# Altium PCB master.PcbDoc (part 5 of 5)
Units mm, origin at the board's own origin, x right, y up, seen from the top; angles counter-clockwise.
Board outline 160 x 120 mm, 4 copper layers (Top Copper, Signal Layer 1, Signal Layer 2, Bot Copper), stack 1.56 mm thick; 330 components, 331 nets, 1402 pads, 711 vias.
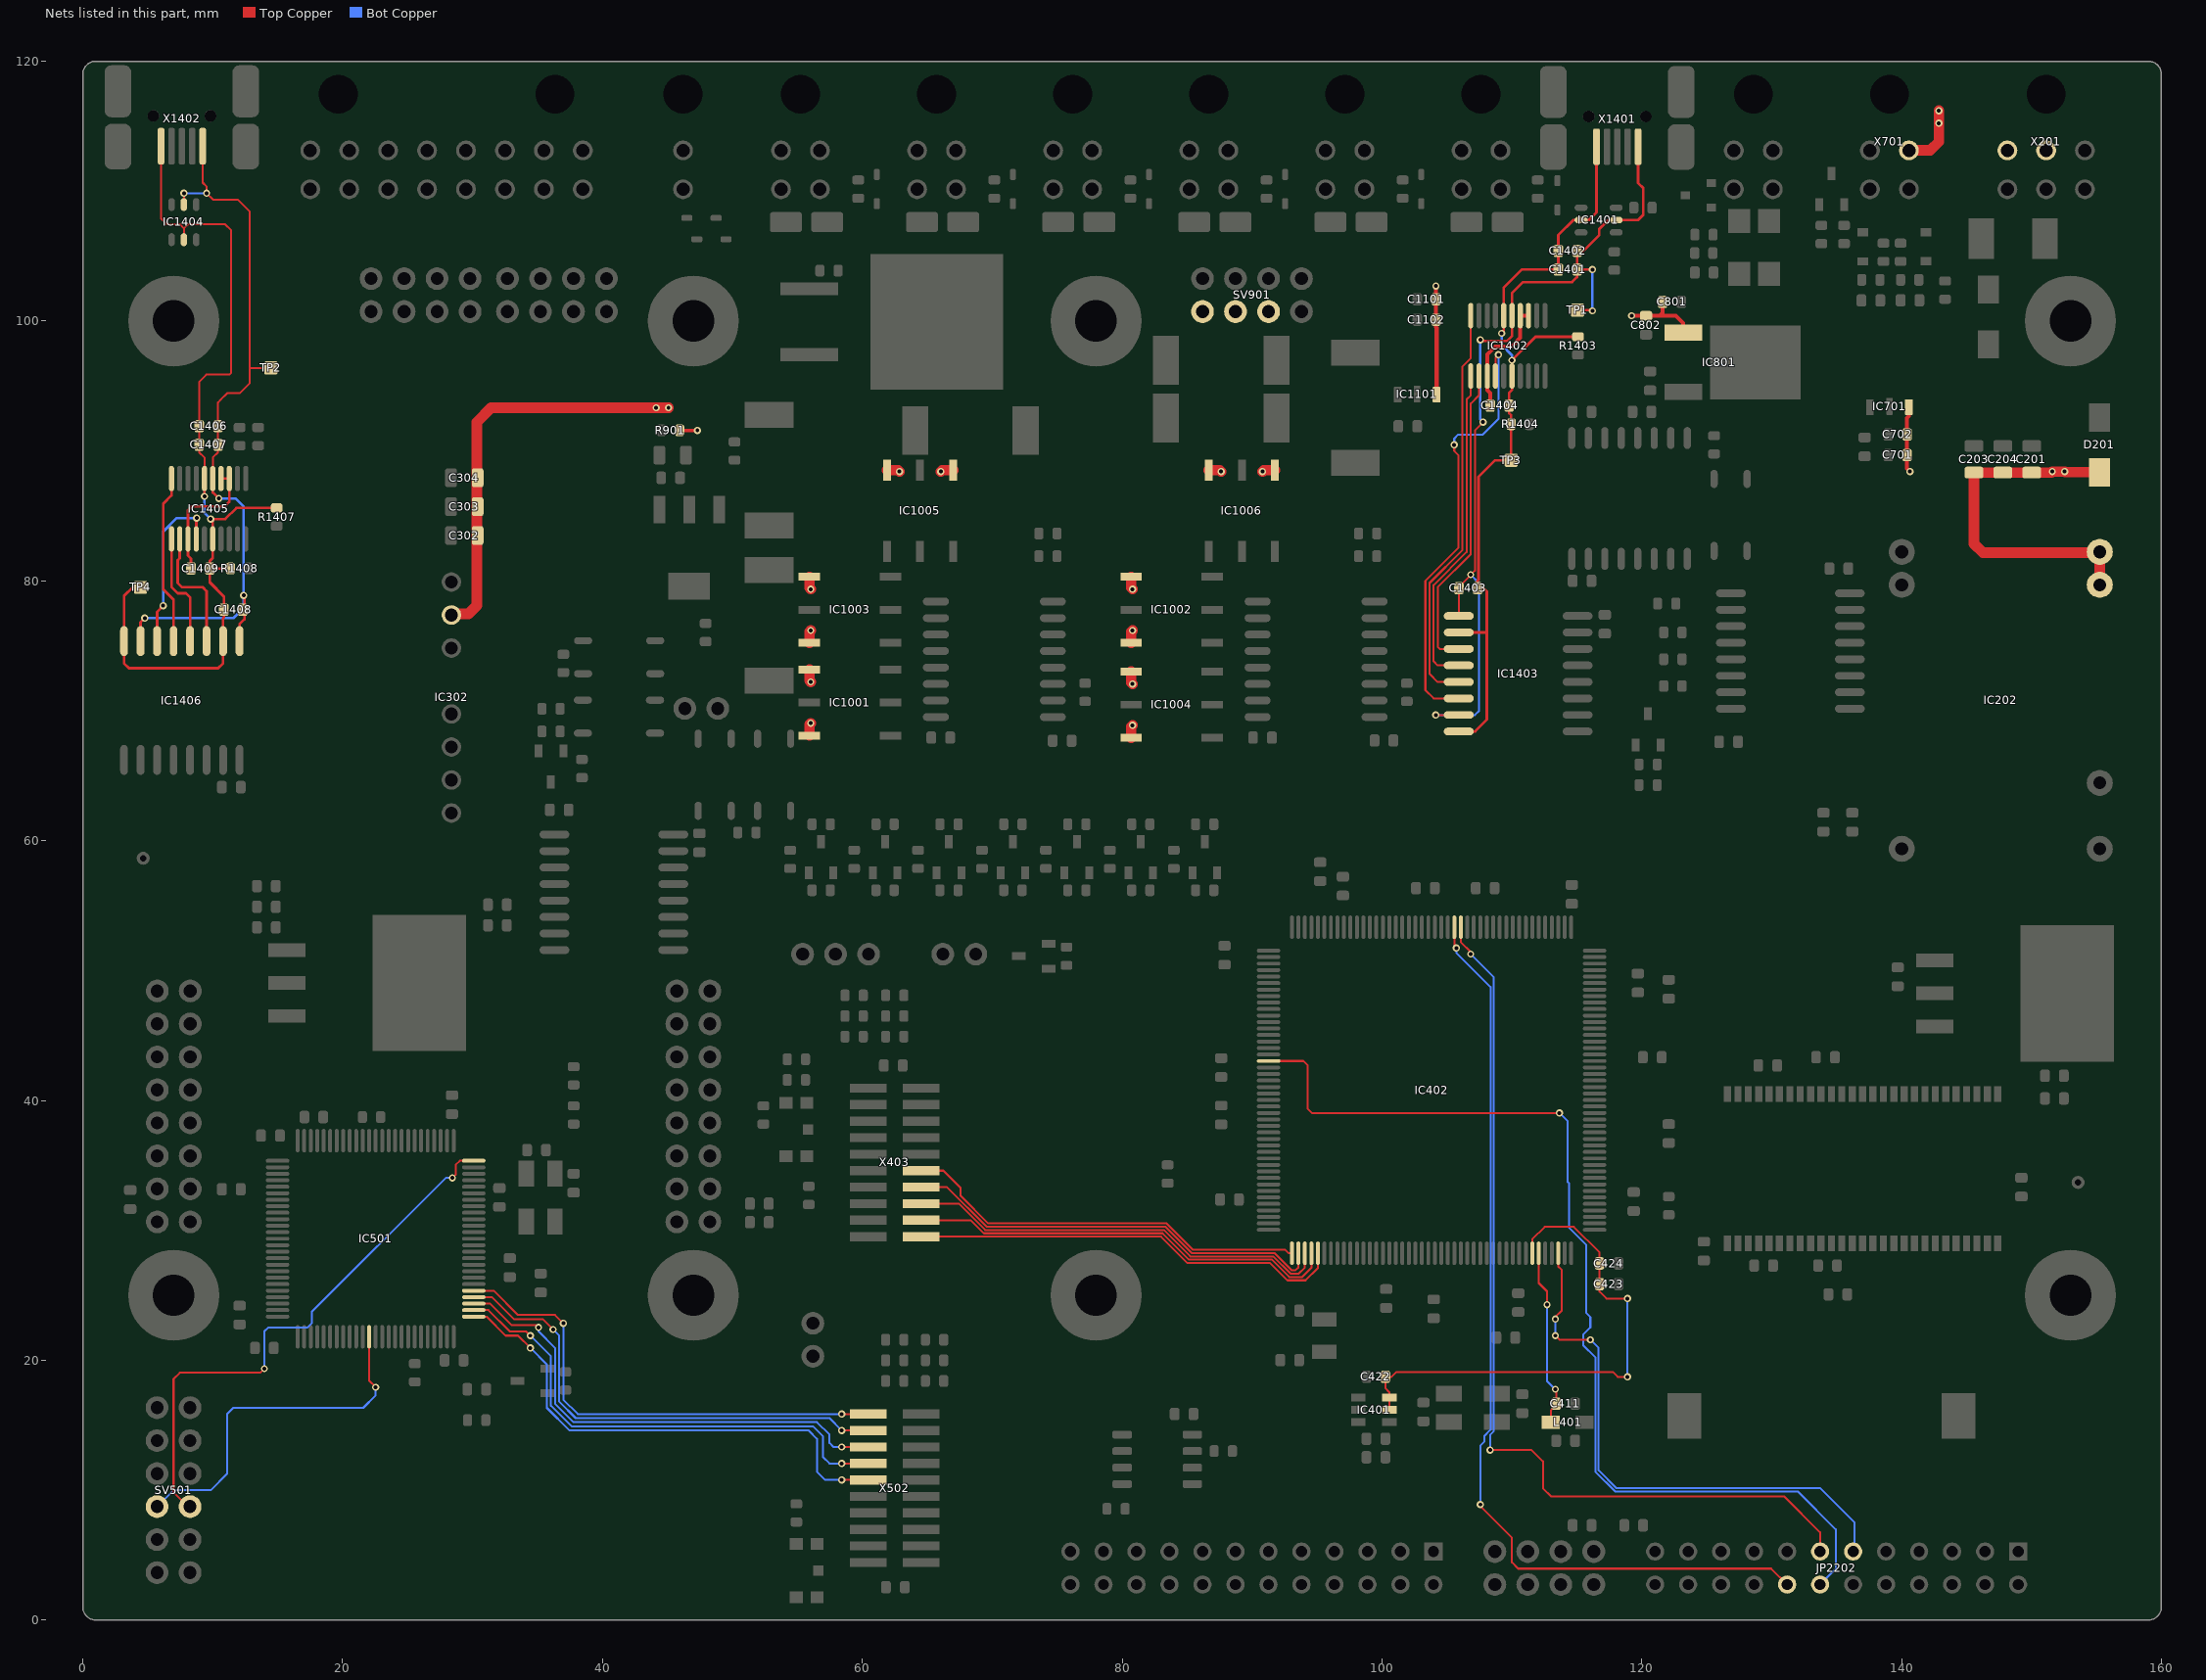
[diagram p7: the nets of this part, all layers, seen from the top]

## Via types
v1: diameter 0.55, hole 0.3, Top Copper to Bot Copper, tented both sides, 708 vias
v2: diameter 0.65, hole 0.4, Top Copper to Bot Copper, tented both sides, 3 vias

## Nets (pads, with @x,y where several pads share a name; then routed paths per layer and width w, separated by ;. In a path a pad name is that pad's centre, name@x,y a point inside that pad or via, vN(x,y) a via of type N, cw(c..) or ccw(c..) an arc to the next point about the centre after c; other vN are vias at no path point) (continued)
RS485_MCU_0_DE: IC402.107 JP2202.16 | length 73.5
  Top Copper w0.152: IC402.107@105.573,53.534 105.573,51.892 v1(105.727,51.738) ; v1(107.569,8.89) 107.569,8.78 110.014,6.335 110.014,4.43 110.49,3.954 129.966,3.954 JP2202.16@131.19,2.73
  Bot Copper w0.152: v1(105.727,51.738) 105.727,51.371 108.362,48.737 108.362,14.642 107.869,14.15 107.869,13.725 107.569,13.425 v1(107.569,8.89)
RS485_MCU_0_NRE: IC402.106 JP2202.13 | length 72.3
  Top Copper w0.152: IC402.106@106.072,53.534 106.072,52.186 106.839,51.42 v1(106.839,51.261) ; v1(108.331,13.081) 111.521,13.081 112.395,12.207 112.395,10.145 113.03,9.51 130.969,9.51 133.73,6.749 JP2202.13@133.73,5.27
  Bot Copper w0.152: v1(106.839,51.261) 108.616,49.484 108.616,14.537 108.331,14.253 v1(108.331,13.081)
RS485_MCU_0_RX: IC402.150 JP2202.14 | length 80.5
  Top Copper w0.152: IC402.150@91.072,43.034 93.953,43.034 94.297,42.689 94.297,39.355 94.615,39.038 v1(113.665,39.038)
  Bot Copper w0.152: v1(113.665,39.038) 114.3,38.403 114.3,33.723 114.41,33.614 114.41,30.196 115.729,28.878 115.729,23.639 116.046,23.321 116.046,22.528 115.492,21.973 115.492,21.16 116.427,20.225 116.427,11.419 117.955,9.891 132.017,9.891 134.938,6.97 134.938,3.938 JP2202.14@133.732,2.732 JP2202.14@133.73,2.73
RS485_MCU_0_TX: IC402.42 JP2202.11 | length 43.2
  Top Copper w0.152: v1(113.347,21.893) 113.665,21.575 v1(116.046,21.575) ; v1(113.347,23.163) 113.347,23.321 113.824,23.798 113.824,26.973 113.573,27.224 IC402.42@113.573,28.034
  Bot Copper w0.152: v1(113.347,21.893) v1(113.347,23.163) ; v1(116.046,21.575) 116.681,20.94 116.681,11.524 118.06,10.145 133.746,10.145 136.366,7.525 136.366,5.366 JP2202.11@136.272,5.272 JP2202.11@136.27,5.27
SUPPLY_EXT_0: C201.1 C203.1 C204.1 C302.1 C303.1 C304.1 C701.1 C702.1 C801.2 C802.2 C1101.1 C1102.1 D201.1 IC202.22 IC202.23 IC302.2 IC701.3 IC801.1 IC1101.3 SV901.3 X701.2 | length 83.9
  Top Copper w0.152: X701.2@140.565,113.06 X701.2@140.565,113.14
  Top Copper w0.305: v1(104.161,102.696) C1101.1@104.161,101.676 C1102.1@104.161,100.101 104.161,99.525 104.211,99.475 IC1101.3@104.211,94.329 ; v1(119.221,100.405) C802.2@120.332,100.405 121.36,100.405 ; C801.2@121.601,101.473 121.601,100.646 121.36,100.405 ; IC801.1@123.2,99.103 123.2,99.829 122.624,100.405 121.36,100.405 ; IC701.3@140.565,93.376 140.565,92.675 140.425,92.535 C702.1@140.425,91.266 C701.1@140.425,89.679 140.425,88.636 v1(140.653,88.409)
  Top Copper w0.813: IC302.2@28.4,77.46 28.405,77.455 29.686,77.455 30.321,78.09 30.321,92.219 31.432,93.33 v1(44.133,93.33) v1(45.085,93.33) ; X701.2@140.565,113.14 142.206,113.14 142.875,113.809 v1(142.875,115.238) v1(142.875,116.19) ; IC202.22@155.257,79.62 IC202.22@155.257,79.69 155.257,82.16 146.266,82.16 145.574,82.853 C203.1@145.574,88.336 C204.1@147.796,88.336 C201.1@150.019,88.336 151.534,88.336 v1(151.606,88.409) v1(152.559,88.409) 152.605,88.363 D201.1@155.257,88.363
SUPPLY_EXT_2: IC1001.4 IC1001.6 IC1002.4 IC1002.6 IC1003.4 IC1003.6 IC1004.4 IC1004.6 IC1005.4 IC1005.6 IC1006.4 IC1006.6 R901.2 SV901.5 SV901.7 X201.1 X201.2 | length 13.2
  Top Copper w0.254: R901.2@46.094,91.584 v1(47.307,91.584)
  Top Copper w0.813: IC1001.6@55.93,68.089 55.93,68.933 v1(56.039,69.041) ; IC1001.4@55.93,73.169 55.93,72.325 v1(56.039,72.216) ; IC1003.6@55.93,75.233 55.93,76.076 v1(56.039,76.185) ; IC1003.4@55.93,80.313 55.93,79.469 v1(56.039,79.36) ; IC1005.6@61.912,88.518 62.756,88.518 v1(62.865,88.409) ; v1(66.04,88.409) 66.149,88.518 IC1005.4@66.992,88.518 ; IC1004.6@80.695,67.93 80.695,68.774 v1(80.804,68.883) ; IC1004.4@80.695,73.01 80.695,72.166 v1(80.804,72.058) ; IC1002.6@80.695,75.233 80.695,76.076 v1(80.804,76.185) ; IC1002.4@80.695,80.313 80.695,79.469 v1(80.804,79.36) ; IC1006.6@86.677,88.518 87.521,88.518 v1(87.63,88.409) ; v1(90.805,88.409) 90.914,88.518 IC1006.4@91.757,88.518
TRACECLK_MCU_0: IC402.1 X403.12 | length 31.5
  Top Copper w0.152: X403.12@64.535,34.593 66.245,34.593 67.564,33.274 67.564,32.664 69.698,30.531 83.429,30.531 85.463,28.497 92.558,28.497 92.821,28.234 IC402.1@93.072,28.234
TRACECLK_MCU_1: IC501.1 X502.12 | length 38.8
  Top Copper w0.152: IC501.1@30.293,23.354 31.082,23.354 32.544,21.893 33.496,21.893 v1(34.449,20.94) ; v1(58.42,10.78) X502.12@60.465,10.78
  Bot Copper w0.152: v1(34.449,20.94) 35.719,19.67 35.719,16.336 37.465,14.59 55.88,14.59 56.515,13.955 56.515,11.415 57.15,10.78 v1(58.42,10.78)
TRACED0_MCU_0: IC402.2 X403.14 | length 32.7
  Top Copper w0.152: X403.14@64.535,33.323 66.525,33.323 69.571,30.277 83.323,30.277 85.358,28.243 91.747,28.243 93.077,26.913 93.334,26.913 93.573,27.152 IC402.2@93.573,28.034
TRACED0_MCU_1: IC501.2 X502.14 | length 38.2
  Top Copper w0.152: IC501.2@30.293,23.854 31.218,23.854 32.861,22.21 34.131,22.21 v1(34.449,21.893) ; v1(58.42,12.05) X502.14@60.465,12.05
  Bot Copper w0.152: v1(34.449,21.893) 36.036,20.305 36.036,16.495 37.624,14.908 56.197,14.908 56.991,14.114 56.991,12.526 57.468,12.05 v1(58.42,12.05)
TRACED1_MCU_0: IC402.3 X403.16 | length 32.9
  Top Copper w0.152: X403.16@64.535,32.053 67.436,32.053 69.465,30.023 83.218,30.023 85.252,27.989 91.642,27.989 92.972,26.659 93.588,26.659 94.072,27.143 IC402.3@94.072,28.034
TRACED1_MCU_1: IC501.3 X502.16 | length 37.8
  Top Copper w0.152: IC501.3@30.293,24.354 31.352,24.354 33.02,22.686 34.925,22.686 v1(35.084,22.528) ; v1(58.42,13.32) X502.16@60.465,13.32
  Bot Copper w0.152: v1(35.084,22.528) 35.084,22.21 36.354,20.94 36.354,16.654 37.782,15.225 56.515,15.225 57.468,14.273 57.468,13.638 57.785,13.32 v1(58.42,13.32)
TRACED2_MCU_0: IC402.4 X403.18 | length 33.1
  Top Copper w0.152: X403.18@64.535,30.783 68.346,30.783 69.36,29.769 83.113,29.769 85.147,27.735 91.537,27.735 92.867,26.405 93.867,26.405 94.573,27.11 IC402.4@94.573,28.034
TRACED2_MCU_1: IC501.4 X502.18 | length 37.4
  Top Copper w0.152: IC501.4@30.293,24.854 31.488,24.854 33.179,23.163 35.401,23.163 v1(36.195,22.369) ; v1@58.579,14.59 X502.18@60.465,14.59
  Top Copper w0.203: v1(58.42,14.59) v1@58.579,14.59
  Bot Copper w0.152: v1(36.195,22.369) 36.671,21.893 36.671,16.813 37.941,15.543 57.468,15.543 v1(58.42,14.59)
TRACED3_MCU_0: IC402.5 X403.20 | length 33.3
  Top Copper w0.152: X403.20@64.535,29.513 83.01,29.513 85.042,27.481 91.391,27.481 92.721,26.151 94.121,26.151 95.072,27.102 IC402.5@95.072,28.034
TRACED3_MCU_1: IC501.5 X502.20 | length 37.5
  Top Copper w0.152: IC501.5@30.293,25.354 31.622,25.354 33.496,23.48 36.354,23.48 v1(36.989,22.845) ; v1(58.42,15.86) X502.20@60.465,15.86
  Bot Copper w0.152: v1(36.989,22.845) 36.989,16.971 38.1,15.86 v1(58.42,15.86)
USART_MCU_1_RX: IC501.87 SV501.6 | length 27.6
  Top Copper w0.152: IC501.87@22.043,21.604 22.043,18.424 v1(22.543,17.924)
  Bot Copper w0.152: SV501.6@5.715,8.73 6.971,9.986 9.842,9.986 11.112,11.256 11.112,15.86 11.589,16.336 21.59,16.336 22.543,17.289 v1(22.543,17.924)
USART_MCU_1_TX: IC501.25 SV501.5 | length 43.3
  Top Copper w0.152: SV501.5@8.255,8.73 8.083,8.73 6.985,9.828 6.985,18.559 7.461,19.035 13.652,19.035 v1(13.97,19.353) ; v1(28.448,34.036) 28.702,34.29 28.702,35.033 29.023,35.354 IC501.25@30.293,35.354
  Bot Copper w0.152: v1(13.97,19.353) 13.97,22.21 14.287,22.528 17.304,22.528 17.621,22.845 17.621,23.72 27.815,33.909 27.942,34.036 v1(28.448,34.036)
USB0_FTDI_DTR: IC1402.1 IC1403.4 | length 24.9
  Top Copper w0.152: IC1403.4@105.962,73.486 IC1403.4@105.915,73.486 104.299,73.486 103.981,73.804 103.981,79.678 106.521,82.218 106.521,93.965 106.839,94.283 IC1402.1@106.839,95.426
USB0_FTDI_RTS: IC1402.2 IC1403.3 | length 23.6
  Top Copper w0.152: IC1403.3@105.962,74.756 IC1403.3@105.915,74.756 104.457,74.756 104.299,74.915 104.299,79.519 106.839,82.059 106.839,93.648 107.474,94.283 IC1402.2@107.474,95.426
USB0_FTDI_RX: IC1402.4 IC1403.6 | length 34.1
  Top Copper w0.152: v1(105.569,90.473) 105.569,89.996 105.886,89.679 105.886,82.535 103.346,79.995 103.346,71.581 103.981,70.946 IC1403.6@105.915,70.946 IC1403.6@105.962,70.946 ; IC1402.4@108.744,95.768 108.744,97.187 v1(108.966,97.409)
  Bot Copper w0.152: v1(105.569,90.473) 105.569,90.949 105.886,91.266 107.776,91.266 108.966,92.456 v1(108.966,97.409)
USB0_FTDI_TX: IC1402.20 IC1403.5 | length 31.8
  Top Copper w0.152: IC1403.5@105.962,72.216 IC1403.5@105.915,72.216 104.299,72.216 103.664,72.851 103.664,79.836 106.204,82.376 106.204,96.505 106.839,97.14 IC1402.20@106.839,100.418 IC1402.20@106.839,100.76
USB1_FTDI_DTR: IC1405.1 IC1406.4 | length 8.5
  Top Copper w0.203: IC1405.1@6.826,82.884 6.826,79.519 7.302,79.043 7.938,79.043 8.255,78.725 IC1406.4@8.255,75.363 IC1406.4@8.255,75.315
USB1_FTDI_RTS: IC1405.2 IC1406.3 | length 9.5
  Top Copper w0.203: IC1405.2@7.461,82.884 7.461,81.741 7.302,81.583 7.302,79.836 7.62,79.519 9.207,79.519 9.525,79.201 IC1406.3@9.525,75.363 IC1406.3@9.525,75.315
USB1_FTDI_RX: IC1405.4 IC1406.6 | length 13.3
  Top Copper w0.203: IC1406.6@5.715,75.315 IC1406.6@5.715,75.363 5.715,77.614 v1(6.191,78.09) ; IC1405.4@8.731,83.226 8.731,84.804 v1(8.763,84.836)
  Bot Copper w0.203: v1(6.191,78.09) 6.191,83.805 7.222,84.836 v1(8.763,84.836)
USB1_FTDI_TX: IC1405.20 IC1406.5 | length 13.5
  Top Copper w0.203: IC1405.20@6.826,88.218 IC1405.20@6.826,87.876 6.826,86.582 6.191,85.947 6.191,79.36 6.985,78.566 IC1406.5@6.985,75.363 IC1406.5@6.985,75.315
USB_0_GND_EXT: C1401.2 C1402.2 C1403.2 C1404.2 IC1401.2 IC1402.6 IC1402.16 IC1403.2 IC1403.8 R1403.2 R1404.2 TP3.1 X1401.5 | length 62.9
  Top Copper w0.203: IC1403.8@105.915,68.406 107.167,68.406 108.077,69.317 108.077,75.946 ; IC1403.2@105.915,76.026 107.997,76.026 108.077,75.946 ; v1(109.22,99.06) 109.379,99.219 IC1402.16@109.379,100.418 109.379,102.584 110.761,103.966 C1401.2@113.575,103.966 C1402.2@113.575,105.395 113.575,106.622 114.73,107.776 IC1401.2@115.331,107.776 115.933,107.776 116.52,108.363 X1401.5@116.52,113.423 ; R1403.2@115.094,98.793 111.825,98.793 v1(110.014,96.981) IC1402.6@110.014,95.768 110.014,94.691 109.786,94.463 C1404.2@109.786,93.489 109.786,92.912 109.949,92.75 R1404.2@109.949,92.06 TP3.1@109.949,89.281 108.712,89.281 107.436,88.005 107.436,80.073 107.365,80.002 C1403.2@107.365,79.426 107.842,79.426 108.077,79.19 108.077,75.946
  Bot Copper w0.203: v1(109.22,99.06) 109.22,98.171 110.014,97.377 v1(110.014,96.981)
USB_0_VBUS1_EXT: C1401.1 C1402.1 C1403.1 IC1401.5 IC1402.15 IC1403.1 IC1403.7 TP1.1 X1401.1 | length 69.1
  Top Copper w0.152: v1(104.14,69.676) IC1403.7@105.915,69.676 IC1403.7@105.962,69.676 ; IC1403.1@105.915,77.296 C1403.1@105.915,79.426 105.915,79.526 106.839,80.45 v1(106.839,80.471) 107.156,80.789 107.156,91.584 v1(107.791,92.219)
  Top Copper w0.203: v1(107.569,98.552) 107.641,98.48 109.656,98.48 110.014,98.838 IC1402.15@110.014,100.418 110.014,102.14 110.871,102.997 114.632,102.997 115.025,103.39 C1401.1@115.025,103.966 ; TP1.1@115.062,100.838 116.158,100.838 v1(116.205,100.791) v1@116.199,100.785 ; v1(116.205,103.966) C1401.1@115.025,103.966 ; X1401.1@119.72,113.423 119.72,110.633 120.117,110.236 120.117,108.179 119.714,107.776 IC1401.5@118.031,107.776 117.43,107.776 116.713,107.06 116.713,106.606 115.502,105.395 C1402.1@115.025,105.395 C1401.1@115.025,103.966
  Bot Copper w0.152: v1(104.14,69.676) 107.156,69.676 107.474,69.994 107.474,79.836 v1(106.839,80.471)
  Bot Copper w0.203: v1(107.569,98.552) 107.569,92.441 v1(107.791,92.219) ; v1(116.205,100.791) v1(116.205,103.966)
USB_0_VCC_EXT: C1404.1 IC1402.3 IC1402.13 IC1402.14 | length 9.5
  Top Copper w0.305: C1404.1@108.336,93.489 108.336,94.463 108.109,94.691 IC1402.3@108.109,95.768 108.109,97.444 108.709,98.044 109.982,98.044 110.649,98.711 IC1402.14@110.649,100.418 IC1402.13@111.284,100.418
USB_1_GND_EXT: C1406.2 C1407.2 C1408.2 C1409.2 IC1404.2 IC1405.6 IC1405.16 IC1406.2 IC1406.8 R1407.2 R1408.2 TP4.1 X1402.5 | length 70.4
  Top Copper w0.152: X1402.5@6.025,113.464 6.025,107.894 6.46,107.459 7.461,107.459 7.779,107.141 ; IC1404.2@7.779,106.418 7.779,107.141 ; IC1405.16@9.366,87.876 9.366,89.488 8.959,89.896 C1407.2@8.959,90.473 C1406.2@8.959,91.901 8.959,95.319 9.51,95.87 11.271,95.87 11.43,96.029 11.43,106.983 10.954,107.459 8.096,107.459 7.779,107.141
  Top Copper w0.203: TP4.1@4.445,79.502 3.843,79.502 3.175,78.834 IC1406.8@3.175,75.363 3.175,73.66 3.556,73.279 10.414,73.279 10.795,73.66 IC1406.2@10.795,75.363 10.795,77.127 10.864,77.196 C1408.2@10.864,77.773 10.864,78.798 9.774,79.888 C1409.2@9.774,80.948 ; v1(9.366,86.504) IC1405.16@9.366,87.876 ; R1408.2@11.365,80.948 C1409.2@9.774,80.948 ; R1407.2@14.922,85.616 11.829,85.616 10.971,84.758 v1(9.842,84.758) 10.001,84.599 IC1405.6@10.001,83.226 10.001,81.752 9.774,81.524 C1409.2@9.774,80.948
  Bot Copper w0.203: v1(9.366,86.504) 9.366,85.234 v1(9.842,84.758)
USB_1_VBUS1_EXT: C1406.1 C1407.1 C1408.1 IC1404.5 IC1405.15 IC1406.1 IC1406.7 TP2.1 X1402.1 | length 59.7
  Top Copper w0.152: IC1404.5@7.779,108.817 IC1404.5@7.779,108.968 v1(7.779,109.84) ; X1402.1@9.225,113.464 9.225,110.663 9.525,110.363 v1(9.525,109.84) 10.018,109.347 11.923,109.347 12.859,108.411 12.859,96.393 ; IC1405.15@10.001,87.876 10.001,89.488 10.409,89.896 C1407.1@10.409,90.473 C1406.1@10.409,91.901 10.409,93.732 10.613,93.936 10.613,93.942 11.112,94.441 12.065,94.441 12.859,95.235 12.859,96.393 ; TP2.1@14.478,96.393 12.859,96.393
  Top Copper w0.203: IC1406.7@4.445,75.315 IC1406.7@4.445,75.363 4.445,76.82 v1(4.763,77.138) ; IC1405.15@10.001,87.876 10.001,86.8 10.023,86.8 v1(10.477,86.345) ; IC1406.1@12.065,75.315 IC1406.1@12.065,75.363 12.065,76.661 12.439,77.035 12.439,78.828 v1(12.383,78.884)
  Bot Copper w0.152: v1(7.779,109.84) v1(9.525,109.84)
  Bot Copper w0.203: v1(4.763,77.138) 11.589,77.138 12.383,77.931 v1(12.383,78.884) 12.383,85.71 11.747,86.345 v1(10.477,86.345)
USB_1_VCC_EXT: C1409.1 IC1405.3 IC1405.13 IC1405.14 | length 10.5
  Top Copper w0.203: C1409.1@8.324,80.948 8.324,81.719 8.096,81.947 IC1405.3@8.096,83.226 8.096,85.439 8.382,85.725 10.922,85.725 11.271,86.074 IC1405.13@11.271,87.876 IC1405.14@10.636,87.876
VDDA_MCU_0: C411.1 IC402.39 L401.2 | length 13.5
  Top Copper w0.152: IC402.39@112.076,28.034 112.072,28.03 112.072,25.946 112.712,25.306 v1(112.712,24.274) ; L401.2@113,15.225 113,15.827 113.024,15.851 113.024,16.162 113.416,16.554 C411.1@113.416,16.654 113.416,17.696 v1(113.347,17.765)
  Bot Copper w0.152: v1(112.712,24.274) 112.712,18.4 v1(113.347,17.765)
VREF+_MCU_0: C422.1 C423.1 C424.1 IC401.5 IC401.6 IC402.38 | length 40.5
  Top Copper w0.152: IC401.5@100.578,16.178 IC401.6@100.578,17.128 100.578,17.529 100.261,17.845 C422.1@100.261,18.718 100.738,18.718 101.119,19.099 117.771,19.099 118.152,18.718 v1(118.904,18.718) ; IC402.38@111.572,28.234 111.572,29.304 112.541,30.272 114.774,30.272 116.75,28.297 C424.1@116.75,27.449 C423.1@116.75,25.861 116.75,25.285 117.285,24.75 v1(118.904,24.75)
  Bot Copper w0.152: v1(118.904,18.718) v1(118.904,24.75)
pads on no net: Designator15.Hole_3.2_4 Designator16.Hole_3.2_3 Designator17.Hole_3.2_2 Designator18.Hole_3.2_1 Designator19.Hole_3.2_5 Designator20.Hole_3.2_6 Designator21.Hole_3.2_7 Designator22.Hole_3.2_8 IC202.11 IC302.3 IC302.5 IC302.8 IC402.12 IC402.13 IC402.28 IC402.110 IC402.111 IC402.134 IC402.151 IC402.176 IC501.7 IC501.8 IC501.9 IC501.15 IC501.16 IC501.23 IC501.24 IC501.26 IC501.33 IC501.34 IC501.35 IC501.36 IC501.38 IC501.39 IC501.40 IC501.41 IC501.42 IC501.43 IC501.44 IC501.45 IC501.46 IC501.55 IC501.56 IC501.57 IC501.58 IC501.59 IC501.60 IC501.61 IC501.62 IC501.63 IC501.64 IC501.65 IC501.66 IC501.67 IC501.68 IC501.88 IC501.92 IC501.93 IC501.95 IC501.96 IC501.97 IC501.98 IC702.6 IC702.11 IC802.4 IC802.6 IC1001.3 IC1002.3 IC1003.3 IC1004.3 IC1005.3 IC1006.3 IC1102.6 IC1102.7 IC1102.11 IC1103.6 IC1103.7 IC1103.11 IC1401.1 IC1401.3 IC1402.5 IC1402.8 IC1402.10 IC1402.17 IC1402.18 IC1402.19 IC1404.1 IC1404.3 IC1405.5 IC1405.8 IC1405.10 IC1405.17 IC1405.18 IC1405.19 IC1801.36 IC1801.40 JP2201.7 JP2201.23 JP2202.23 S401.5 S501.5 SV1602.13 SV1602.14 SV1602.15 SV1602.16 SV1604.13 SV1604.14 SV1604.15 SV1604.16 X201. X403.7 X502.7 X701. X801. X801.2 X901. X1201. X1202. X1203. X1204. X1205. X1206. X1401.4 X1401.6 X1401.7 X1401.8 X1401.9 X1401.X X1401.Y X1402.4 X1402.6 X1402.7 X1402.8 X1402.9 X1402.X X1402.Y X1601.

## Polygon pours and split planes (outlines as drawn)
no net on Top Overlay "Polygon_42_NoNet" (solid): 126.859,60.983 126.863,61.044 126.876,61.098 126.897,61.144 126.926,61.183 126.964,61.213 127.01,61.234 127.063,61.246 127.124,61.25 127.185,61.246 127.238,61.234 127.284,61.213 127.322,61.183 127.351,61.145 127.372,61.098 127.384,61.044 127.388,60.983 127.384,60.922 127.372,60.869 127.351,60.823 127.321,60.785 127.284,60.756 127.238,60.735 127.184,60.722 127.124,60.719 127.063,60.722 127.01,60.735 126.964,60.756 126.926,60.785 126.897,60.823 126.876,60.869 126.863,60.922
no net on Top Overlay "Polygon_41_NoNet" (solid): 127.624,60.52 127.624,59.767 127.417,59.767 127.417,58.89 126.831,58.89 126.831,59.767 126.624,59.767 126.624,60.52 126.633,60.568 126.661,60.61 126.703,60.638 126.752,60.647 127.496,60.647 127.542,60.638 127.584,60.61 127.614,60.568
no net on Top Overlay "Polygon_40_NoNet" (solid): 127.121,61.889 127.308,61.881 127.488,61.856 127.661,61.815 127.827,61.758 127.985,61.683 128.135,61.593 128.278,61.486 128.413,61.363 128.537,61.227 128.645,61.084 128.736,60.933 128.81,60.775 128.868,60.609 128.91,60.437 128.934,60.257 128.943,60.07 128.934,59.883 128.91,59.703 128.869,59.531 128.813,59.368 128.74,59.212 128.65,59.065 128.544,58.925 128.423,58.793 128.282,58.666 128.134,58.556 127.981,58.463 127.821,58.387 127.655,58.327 127.483,58.285 127.305,58.259 127.121,58.251 126.939,58.259 126.764,58.285 126.595,58.326 126.432,58.385 126.275,58.461 126.124,58.553 125.979,58.662 125.841,58.787 125.715,58.924 125.606,59.068 125.514,59.218 125.439,59.376 125.38,59.539 125.338,59.71 125.313,59.887 125.305,60.07 125.313,60.254 125.338,60.431 125.38,60.602 125.439,60.767 125.514,60.925 125.606,61.077 125.715,61.223 125.841,61.363 125.976,61.486 126.118,61.593 126.267,61.683 126.424,61.757 126.587,61.815 126.758,61.856 126.936,61.881 127.057,61.89 127.121,61.889 127.105,61.537 126.978,61.531 126.834,61.511 126.696,61.478 126.564,61.431 126.438,61.371 126.318,61.297 126.203,61.21 126.095,61.11 125.992,60.995 125.903,60.877 125.827,60.754 125.766,60.626 125.718,60.494 125.683,60.357 125.663,60.216 125.656,60.07 125.663,59.924 125.683,59.783 125.717,59.647 125.764,59.516 125.825,59.39 125.9,59.269 125.989,59.152 126.09,59.041 126.202,58.939 126.318,58.85 126.44,58.776 126.567,58.715 126.699,58.667 126.836,58.633 126.978,58.612 127.126,58.606 127.273,58.612 127.416,58.633 127.553,58.667 127.686,58.715 127.814,58.776 127.937,58.851 128.055,58.941 128.169,59.043 128.268,59.148 128.354,59.26 128.426,59.378 128.486,59.503 128.532,59.634 128.565,59.772 128.585,59.918 128.592,60.07 128.585,60.219 128.565,60.364 128.531,60.502 128.485,60.635 128.424,60.762 128.351,60.883 128.264,60.999 128.163,61.109 128.054,61.209 127.938,61.297 127.817,61.37 127.69,61.431 127.558,61.477 127.42,61.511 127.277,61.531 127.145,61.538 127.105,61.537
no net on Top Overlay "Polygon_39_NoNet" (solid): 123.984,60.365 123.722,60.227 123.674,60.304 123.625,60.346 123.573,60.369 123.523,60.376 123.469,60.372 123.423,60.357 123.384,60.334 123.352,60.302 123.327,60.259 123.309,60.207 123.298,60.144 123.294,60.071 123.298,60.003 123.309,59.943 123.327,59.891 123.353,59.845 123.386,59.809 123.424,59.784 123.47,59.768 123.523,59.763 123.593,59.773 123.651,59.8 123.698,59.846 123.741,59.922 123.99,59.798 123.942,59.722 123.894,59.665 123.84,59.616 123.778,59.574 123.713,59.54 123.644,59.515 123.572,59.501 123.497,59.496 123.379,59.505 123.273,59.534 123.178,59.581 123.097,59.648 123.031,59.732 122.984,59.83 122.956,59.943 122.946,60.07 122.956,60.194 122.985,60.305 123.033,60.404 123.1,60.488 123.182,60.556 123.274,60.605 123.376,60.634 123.488,60.644 123.57,60.64 123.646,60.627 123.717,60.606 123.781,60.577 123.84,60.539 123.892,60.493 123.937,60.439
no net on Top Overlay "Polygon_38_NoNet" (solid): 122.942,60.365 122.677,60.227 122.629,60.304 122.58,60.346 122.528,60.369 122.481,60.376 122.427,60.372 122.381,60.357 122.342,60.334 122.31,60.302 122.286,60.26 122.267,60.207 122.256,60.144 122.252,60.071 122.267,59.942 122.285,59.891 122.311,59.845 122.344,59.809 122.382,59.784 122.428,59.768 122.481,59.763 122.551,59.773 122.609,59.8 122.656,59.846 122.699,59.922 122.945,59.798 122.898,59.722 122.851,59.665 122.797,59.616 122.737,59.574 122.67,59.54 122.601,59.515 122.528,59.501 122.453,59.496 122.335,59.505 122.23,59.534 122.136,59.581 122.053,59.648 121.987,59.732 121.939,59.83 121.911,59.943 121.901,60.07 121.911,60.194 121.939,60.305 121.988,60.404 122.055,60.488 122.137,60.556 122.229,60.605 122.331,60.634 122.443,60.644 122.525,60.64 122.602,60.627 122.672,60.606 122.737,60.577 122.796,60.539 122.848,60.493 122.895,60.439
no net on Top Overlay "Polygon_37_NoNet" (solid): 122.933,61.888 123.127,61.881 123.307,61.856 123.48,61.814 123.646,61.755 123.805,61.681 123.957,61.589 124.101,61.481 124.239,61.356 124.359,61.223 124.464,61.081 124.554,60.93 124.629,60.77 124.687,60.602 124.728,60.43 124.754,60.252 124.762,60.07 124.754,59.886 124.729,59.708 124.688,59.536 124.63,59.37 124.557,59.212 124.467,59.063 124.363,58.923 124.242,58.793 124.105,58.67 123.958,58.561 123.803,58.468 123.638,58.391 123.468,58.329 123.295,58.286 123.119,58.26 122.94,58.251 122.762,58.26 122.587,58.285 122.416,58.329 122.25,58.389 122.089,58.466 121.937,58.558 121.793,58.666 121.658,58.789 121.536,58.923 121.428,59.067 121.337,59.218 121.261,59.378 121.201,59.544 121.158,59.715 121.133,59.89 121.124,60.07 121.133,60.248 121.159,60.424 121.202,60.595 121.262,60.763 121.339,60.926 121.431,61.079 121.54,61.224 121.663,61.359 121.797,61.483 121.938,61.591 122.086,61.682 122.242,61.756 122.406,61.814 122.576,61.856 122.754,61.881 122.873,61.888 122.933,61.888 122.93,61.54 122.796,61.531 122.652,61.511 122.514,61.478 122.382,61.431 122.256,61.371 122.136,61.297 122.022,61.21 121.914,61.11 121.814,60.999 121.727,60.882 121.652,60.759 121.589,60.628 121.539,60.493 121.504,60.356 121.482,60.215 121.475,60.07 121.482,59.928 121.503,59.788 121.539,59.651 121.589,59.516 121.651,59.386 121.726,59.263 121.814,59.148 121.913,59.039 122.022,58.94 122.138,58.854 122.26,58.781 122.389,58.719 122.524,58.671 122.661,58.636 122.802,58.615 122.946,58.609 123.088,58.615 123.229,58.636 123.367,58.671 123.504,58.72 123.636,58.782 123.761,58.857 123.88,58.944 123.992,59.043 124.09,59.148 124.175,59.261 124.247,59.379 124.306,59.504 124.352,59.635 124.384,59.773 124.404,59.918 124.411,60.069 124.404,60.216 124.384,60.359 124.35,60.497 124.302,60.632 124.242,60.761 124.169,60.883 124.084,60.998 123.986,61.105 123.875,61.207 123.759,61.294 123.637,61.369 123.51,61.43 123.378,61.477 123.24,61.51 123.096,61.531 122.996,61.54 122.93,61.541
no net on Top Overlay "Polygon_29_NoNet" (solid, pour order 45): 152.038,20.984 157.842,20.984 157.842,0.576 152.038,0.576
no net on Top Overlay "Polygon_22_NoNet" (solid, pour order 42): 47.398,8.599 47.6,8.563 47.753,8.465 47.852,8.312 47.887,8.113 47.887,4.625 47.852,4.423 47.753,4.27 47.6,4.172 47.398,4.136 47.008,4.057 46.687,3.84 46.47,3.519 46.39,3.128 46.39,2.38 46.348,2.18 46.238,2.027 46.082,1.928 45.904,1.893 32.265,1.893 32.219,1.369 45.905,1.369 46.107,1.389 46.296,1.448 46.468,1.542 46.618,1.666 46.741,1.815 46.835,1.987 46.894,2.176 46.915,2.379 46.914,3.125 46.95,3.326 47.048,3.479 47.201,3.577 47.402,3.613 47.604,3.633 47.793,3.693 47.965,3.786 48.115,3.909 48.238,4.059 48.331,4.23 48.39,4.419 48.411,4.622 48.411,8.114 48.391,8.319 48.333,8.51 48.241,8.682 48.119,8.83 47.97,8.953 47.798,9.045 47.607,9.102 47.403,9.122 47.201,9.16 47.048,9.263 46.95,9.417 46.915,9.608 46.915,10.357 46.894,10.559 46.835,10.748 46.741,10.92 46.618,11.07 46.468,11.193 46.296,11.287 46.107,11.346 45.905,11.366 18.462,11.366 18.231,11.348 18.028,11.294 17.855,11.207 17.711,11.088 17.598,10.941 17.517,10.769 17.468,10.573 17.452,10.357 17.452,2.379 17.472,2.176 17.531,1.987 17.625,1.815 17.748,1.666 17.898,1.542 18.07,1.448 18.259,1.389 18.462,1.369 32.22,1.369 32.265,1.893 18.464,1.893 18.263,1.928 18.11,2.027 18.011,2.179 17.976,2.379 17.976,10.354 18.011,10.556 18.11,10.708 18.263,10.807 18.462,10.842 45.902,10.842 46.103,10.807 46.256,10.709 46.355,10.556 46.39,10.356 46.39,9.607 46.47,9.216 46.687,8.895 47.008,8.678
GND_EXT_0 on Top Copper "Polygon_3_Net_GND_EXT_0" (solid, remove dead copper, pour order 44): 113.575,119.507 135.039,119.507 135.039,87.249 113.575,87.249
GND_0 on Top Copper "Top Copper-GND_0" (solid, pour order 60): 120.863,17.733 125.689,17.733 125.689,13.669 120.863,13.669
CONTACTORS_COMMON_NEG on Top Copper "Polygon_1_Net_CONTACTORS_COMMON_NEG" (solid, remove dead copper, pour order 51): 50.381,105.135 60.7,105.135 60.7,93.546 73.919,93.546 74.078,106.087 111.863,106.087 111.702,120.102 50.381,120.102
+3.3V_0 on Top Copper "Polygon_2_Net_+3.3V_0" (solid, remove dead copper, pour order 47): 146.107,54.062 156.947,54.062 156.947,37.031 151.822,37.031 151.822,42.746 143.885,42.746 143.885,46.873 140.868,46.873 140.868,49.299 146.107,49.299
GND_EXT_0 on Top Copper "Polygon_2_Net_GND_EXT_0" (solid, remove dead copper, pour order 43): 136.106,98.67 142.024,98.67 142.024,87.672 136.106,87.672
+3.3V_1 on Top Copper "Polygon_2_Net_+3.3V_1" (solid, remove dead copper, pour order 48): 18.847,57.973 31.794,57.973 31.794,43.756 18.847,43.756 18.847,47.724 14.084,47.724 14.084,50.353 18.847,50.353
SUPPLY_EXT_0 on Top Copper "Polygon_2_Net_SUPPLY_EXT_0" (solid, remove dead copper, pour order 46): 144.812,89.171 157.924,89.171 157.924,69.825 144.812,69.825
NetD201_2 on Top Copper "Polygon_1_Net_N$16" (solid, remove dead copper, pour order 40): 148.622,95.838 157.924,95.838 157.924,91.774 148.622,91.774
GND_EXT_2 on Top Copper "Polygon_1_Net_GND_EXT_2" (solid, remove dead copper, pour order 38): 53.467,99.568 58.433,99.568 58.433,95.396 53.467,95.396
GND_0 on Top Copper "Polygon_3_Net_GND_0" (solid, remove dead copper, pour order 36): 131.185,63.745 136.944,63.745 136.944,61.637 131.185,61.637
GND_0 on Top Copper "Polygon_2_Net_GND_0" (solid, remove dead copper, pour order 39): 138.963,54.062 145.358,54.062 145.358,49.731 138.963,49.731
GND_1 on Top Copper "Polygon_2_Net_GND_1" (solid, remove dead copper, pour order 37): 14.186,54.062 18.675,54.062 18.675,50.683 14.186,50.683
SUPPLY_EXT_0 on Signal Layer 2 "Polygon_1_Net_SUPPLY_EXT_0" (solid, remove dead copper, pour order 58): 43.236,92.593 43.481,95.535 cw(c43.879,95.529) 43.879,96.029 50.618,96.13 ccw(c50.618,96.529) 51.016,96.529 51.016,103.466 ccw(c50.618,103.466) 50.618,103.865 45.426,103.865 cw(c45.426,104.466) 44.825,104.466 44.825,119.467 157.298,119.467 cw(c157.297,118.866) 157.899,118.866 157.899,70.176 cw(c157.298,70.176) 157.298,69.575 133.532,69.575 cw(c133.532,70.176) 132.931,70.176 132.931,86.797 ccw(c132.532,86.797) 132.532,87.196 108.768,87.196 ccw(c108.768,86.797) 108.369,86.797 108.369,67.795 cw(c107.768,67.795) 107.768,67.193 97.337,67.193 cw(c97.337,67.795) 96.736,67.795 96.736,87.115 ccw(c96.338,87.115) 96.338,87.513 81.54,87.513 81.54,67.193 71.971,67.193 71.971,92.593
+3.3V_1 on Signal Layer 2 "Polygon_1_Net_+3.3V_1" (solid, remove dead copper, pour order 53): 55.269,24.534 68.874,24.534 cw(c68.874,23.933) 69.475,23.933 69.475,1.125 cw(c68.874,1.125) 68.869,0.523 2.723,0.518 cw(c2.723,1.12) 2.121,1.12 2.121,66.477 cw(c2.723,66.477) 2.723,67.079 12.835,67.079 cw(c12.835,66.478) 13.437,66.478 13.437,59.222 ccw(c13.835,59.222) 13.835,58.824 30.456,58.824 ccw(c30.456,59.222) 30.855,59.222 30.855,66.477 cw(c31.456,66.477) 31.456,67.079 33.473,67.079 ccw(c33.473,67.477) 33.871,67.477 33.871,74.891 cw(c34.473,74.891) 34.473,75.493 38.553,75.493 cw(c38.553,74.891) 39.154,74.891 39.154,17.63 ccw(c39.552,17.63) 39.552,17.232 54.269,17.232 ccw(c54.269,17.63) 54.667,17.63 54.667,23.932 cw(c55.269,23.932)
+3.3V_0 on Signal Layer 2 "Polygon_1_Net_+3.3V_0" (solid, remove dead copper, pour order 57): 73.717,1.12 73.717,20.599 cw(c74.319,20.599) 74.319,21.2 81.415,21.2 ccw(c81.415,21.599) 81.813,21.599 81.813,28.378 ccw(c81.415,28.378) 81.415,28.776 44.315,28.776 cw(c44.315,29.378) 43.713,29.378 43.713,62.35 cw(c44.315,62.35) 44.315,62.952 60.778,62.952 ccw(c60.778,63.35) 61.176,63.35 61.176,82.67 cw(c61.778,82.67) 61.778,83.272 67.128,83.272 cw(c67.128,82.67) 67.729,82.67 67.729,63.35 ccw(c68.127,63.35) 68.127,62.952 85.543,62.952 ccw(c85.543,63.35) 85.941,63.35 85.941,83.272 91.893,83.272 cw(c91.893,82.67) 92.494,82.67 92.494,63.35 ccw(c92.892,63.35) 92.892,62.952 112.213,62.952 ccw(c112.213,63.35) 112.611,63.35 112.611,82.352 cw(c113.213,82.352) 113.213,82.954 128.087,82.954 cw(c128.087,82.352) 128.689,82.352 128.689,65.573 ccw(c129.087,65.573) 129.087,65.174 157.297,65.174 cw(c157.297,64.572) 157.899,64.572 157.899,29.378 cw(c157.298,29.378) 157.298,28.776 149.725,28.776 ccw(c149.725,28.377) 149.327,28.377 149.327,21.758 ccw(c149.725,21.758) 149.725,21.359 157.297,21.359 cw(c157.297,20.757) 157.899,20.757 157.899,1.124 cw(c157.297,1.124) 157.294,0.522 74.319,0.518 cw(c74.319,1.12)
SUPPLY_EXT_2 on Signal Layer 2 "Polygon_2_Net_SUPPLY_EXT_2" (solid, remove dead copper, pour order 49): 152.025,114.228 152.025,110.373 90.847,110.373 89.954,109.48 89.954,99.578 84.83,99.578 84.83,114.228
SUPPLY_EXT_2 on Signal Layer 2 "Polygon_1_Net_SUPPLY_EXT_2" (solid, remove dead copper, pour order 50): 43.237,92.797 43.237,67.795 ccw(c43.839,67.795) 43.839,67.193 56.333,67.193 ccw(c56.333,67.795) 56.934,67.795 56.934,87.115 cw(c57.333,87.115) 57.333,87.513 71.573,87.513 cw(c71.573,87.115) 71.971,87.115 71.971,67.795 ccw(c72.572,67.795) 72.572,67.193 80.939,67.193 ccw(c80.939,67.795) 81.54,67.795 81.54,87.115 cw(c81.939,87.115) 81.939,87.513 93.447,87.513 93.447,92.797 89.954,92.797 89.954,102.004 84.83,102.004 84.83,92.797
GND_EXT_0 on Signal Layer 1 "GND_EXT_0_L02_P055" (solid, remove dead copper, pour order 55): 44.825,119.467 157.298,119.467 cw(c157.297,118.866) 157.899,118.866 157.899,70.193 cw(c157.281,70.193) 157.281,69.575 141.027,69.575 139.008,69.575 133.532,69.575 cw(c133.532,70.176) 132.931,70.176 132.931,86.797 ccw(c132.532,86.797) 132.532,87.196 108.768,87.196 ccw(c108.768,86.797) 108.369,86.797 108.369,67.795 cw(c107.768,67.795) 107.768,67.193 97.337,67.193 cw(c97.337,67.795) 96.736,67.795 96.736,87.115 ccw(c96.338,87.115) 96.338,87.513 81.939,87.513 ccw(c81.939,87.115) 81.54,87.115 81.54,67.795 cw(c80.939,67.795) 80.939,67.193 72.572,67.193 cw(c72.572,67.795) 71.971,67.795 71.971,87.115 ccw(c71.573,87.115) 71.573,87.513 57.333,87.513 ccw(c57.333,87.115) 56.934,87.115 56.934,67.795 cw(c56.333,67.795) 56.333,67.193 43.839,67.193 cw(c43.839,67.795) 43.237,67.795 43.237,95.029 cw(c44.339,95.029) 44.339,96.13 50.618,96.13 ccw(c50.618,96.529) 51.016,96.529 51.016,103.466 ccw(c50.618,103.466) 50.618,103.865 45.426,103.865 cw(c45.426,104.466) 44.825,104.466
GND_0 on Signal Layer 1 "Polygon_1_Net_GND_0" (solid, remove dead copper, pour order 56): 43.713,62.35 43.713,29.378 ccw(c44.315,29.377) 44.315,28.776 81.415,28.776 cw(c81.415,28.378) 81.813,28.378 81.813,21.599 cw(c81.415,21.599) 81.415,21.2 74.319,21.2 ccw(c74.319,20.599) 73.717,20.599 73.717,1.12 ccw(c74.319,1.12) 74.319,0.518 157.296,0.52 ccw(c157.297,1.122) 157.899,1.122 157.899,20.757 ccw(c157.297,20.757) 157.297,21.359 149.725,21.359 cw(c149.725,21.757) 149.327,21.758 149.327,28.377 cw(c149.725,28.377) 149.725,28.776 157.298,28.776 ccw(c157.298,29.377) 157.899,29.378 157.899,64.572 ccw(c157.297,64.572) 157.297,65.174 156.267,65.174 155.829,65.174 154.737,65.174 152.579,65.174 129.087,65.174 cw(c129.087,65.572) 128.689,65.573 128.689,82.352 ccw(c128.087,82.352) 128.087,82.954 113.213,82.954 ccw(c113.213,82.352) 112.611,82.352 112.611,63.35 cw(c112.213,63.35) 112.213,62.952 92.892,62.952 cw(c92.892,63.35) 92.494,63.35 92.494,82.67 ccw(c91.893,82.67) 91.893,83.272 85.941,83.272 85.941,63.35 cw(c85.543,63.35) 85.543,62.952 68.127,62.952 cw(c68.127,63.35) 67.729,63.35 67.729,82.67 ccw(c67.128,82.67) 67.128,83.272 61.778,83.272 ccw(c61.778,82.67) 61.176,82.67 61.176,63.35 cw(c60.778,63.35) 60.778,62.952 44.315,62.952 ccw(c44.315,62.35)
GND_1 on Signal Layer 1 "Polygon_1_Net_GND_1" (solid, remove dead copper, pour order 54): 55.269,24.534 68.874,24.534 cw(c68.874,23.933) 69.475,23.933 69.475,1.121 cw(c68.874,1.121) 68.874,0.52 2.724,0.52 cw(c2.722,1.121) 2.121,1.121 2.121,66.477 cw(c2.723,66.477) 2.723,67.079 12.835,67.079 cw(c12.835,66.478) 13.437,66.478 13.437,59.222 ccw(c13.835,59.222) 13.835,58.824 30.456,58.824 ccw(c30.456,59.222) 30.855,59.222 30.855,66.477 cw(c31.456,66.477) 31.456,67.079 33.473,67.079 ccw(c33.473,67.477) 33.871,67.477 33.871,74.891 cw(c34.473,74.891) 34.473,75.493 38.553,75.493 cw(c38.553,74.891) 39.154,74.891 39.154,17.63 ccw(c39.552,17.63) 39.552,17.232 54.269,17.232 ccw(c54.269,17.63) 54.667,17.63 54.667,23.932 cw(c55.269,23.932)
GND_EXT_2 on Bot Copper "Polygon_2_Net_GND_EXT_2" (solid, remove dead copper, pour order 52): 44.799,119.492 157.456,119.492 cw(c157.456,118.865) 158.083,118.865 158.083,108.602 92.678,108.602 92.678,101.934 84.487,101.934 84.487,108.761 58.864,108.761 58.864,87.488 43.211,87.488 43.256,95.532 cw(c43.883,95.529) 43.883,96.156 50.618,96.156 ccw(c50.618,96.529) 50.99,96.529 50.99,103.466 ccw(c50.618,103.466) 50.618,103.839 45.426,103.839 cw(c45.426,104.466) 44.799,104.466
NetD201_2 on Bot Copper "Polygon_2_Net_N$16" (solid, remove dead copper, pour order 41): 148.622,95.838 157.924,95.838 157.924,91.774 148.622,91.774

## Keep-outs
Keep-Out Layer:
  lines w0: 0,1 ccw(c1,1) 1,0 159,0 ccw(c159,1) 160,1 160,119 ccw(c159,119) 159,120 1,120 ccw(c1,119) 0,119 0,1
  lines w3.556: 59.046,65.075 59.205,85.393
  lines w3.9: 41.275,65.073 41.275,82.218 ; 41.275,65.075 59.046,65.075 ; 52.621,19.424 52.621,26.645 ; 110.49,85.075 130.81,85.075
  lines w4: 41.275,65.075 41.275,19.353 52.549,19.353 52.621,19.424 ; 52.621,26.645 71.596,26.645 71.596,2.184 ; 59.205,85.393 69.85,85.393 69.85,65.073 83.82,65.073 83.82,85.551 94.615,85.551 94.615,65.073 110.49,65.073 110.49,85.075 ; 130.81,85.075 130.81,67.722 157.886,67.722

## Other copper
Top Copper:
  text "TOP" at 75.248,18.241 h1.27
Bot Copper:
  text "BOT" at 76.994,17.13 h1.27

## Silkscreen, mask and mechanical layers (free items; w line width, h text height)
Top Overlay:
  drawing of 3 lines, arcs and shapes, not listed
  text "9" at 15.494,109.779 h1.27
  text "16" at 39.675,109.703 h1.27
  text "4" at 146.685,109.364 h1.27
  text "6" at 155.099,109.364 h1.27
  text "Fuse: 2A" at 152.718,105.044 h1.27
  text "1" at 19.863,100.254 h1.02
  text "Creative Commons" at 120.969,57.033 h1.27
  text "Attribution 4.0" at 120.969,55.814 h1.27
  text "1" at 9.957,30.226 h1.27
  text "1" at 50.165,29.036 h1.27
  text "Master" at 26.789,7.383 h2
  text "1" at 116.998,6.984 h1.27
  text "1" at 148.819,6.782 h1.27
  text "1" at 103.759,6.756 h1.27
  text "IoTClicky@gmail.com" at 19.398,3.972 h1.5
  text "1" at 9.931,3.2 h1.27
Dimension:
  the board outline again, w0
Mechanical 2:
  text "Do NOT mill isolation meander." at 41.783,24.892 h1.52 r90
Descript:
  lines w0: 2,20 2,120 ; 52,20 52,120 ; 73,0 73,120 ; 158,0 158,120
  lines w0.254: 135.004,4.004 135.012,4.012

## Dimensions
62.5,19.988 to 62.706,120 on Mechanical 16
62.5,46.499 to 60.642,120 on Mechanical 16
62.5,18.4 to 0,17.924 on Mechanical 16
52,120 to 28,117.46 on Mechanical 16
0,119 to 151.13,117.46 on Mechanical 16
0,119 to 139.065,117.46 on Mechanical 16
0,119 to 128.588,117.46 on Mechanical 16
0,119 to 118.11,115.238 on Mechanical 16
0,119 to 107.632,117.46 on Mechanical 16
0,119 to 97.155,117.46 on Mechanical 16
0,119 to 86.677,117.46 on Mechanical 16
0,119 to 76.2,117.46 on Mechanical 16
0,119 to 65.722,117.46 on Mechanical 16
0,119 to 55.245,117.46 on Mechanical 16
0,119 to 46.2,117.46 on Mechanical 16
0,119 to 7.5,115.555 on Mechanical 16
160,119 to 137.65,84.44 on Mechanical 16
157.956,120 to 152.559,87.25 on Mechanical 16
157.956,120 to 150.654,54.75 on Mechanical 16
1,120 to 26.511,60.2 on Mechanical 16
52,120 to 22.4,80.948 on Mechanical 16
52,120 to 31.6,81.265 on Mechanical 16
158,0 to 90,4 on Mechanical 16
158,0 to 112.5,4 on Mechanical 16
158,0 to 135,4 on Mechanical 16
160,120 to 90,4 on Mechanical 16
0,120 to 26.035,82 on Mechanical 16
2,20 to 47,37 on Mechanical 16
0,120 to 7,39.54 on Mechanical 16
2,20 to 7,37 on Mechanical 16
0,120 to 26,102 on Mechanical 16
2,20 to 153,25.068 on Mechanical 16
2,20 to 78,25.068 on Mechanical 16
0,120 to 6.032,117.46 on Mechanical 16
52,120 to 26,102 on Mechanical 16
52,120 to 36.5,102 on Mechanical 16
2,20 to 52,31.1 on Mechanical 16
0,120 to 2,123.81 on Mechanical 16
0,120 to 6.985,25 on Mechanical 16
0,120 to 6.985,99.998 on Mechanical 16
0.953,120.044 to 0.953,0.044 on Mechanical 16
2,120 to 158,120 on Mechanical 16
0,120 to 160,120 on Mechanical 16

## Text inside footprints (layer, text, board x,y; h text height)
Designator181: Top Copper "1" at 148.229,13.72 h0.51 r90; Bot Copper "4" at 148.229,17.759 h0.51 r90; Signal Layer 1 "2" at 148.229,14.888 h0.51 r90; Signal Layer 2 "3" at 148.229,16.158 h0.51 r90